# KiCad board solderCurved.kicad_pcb (continued)
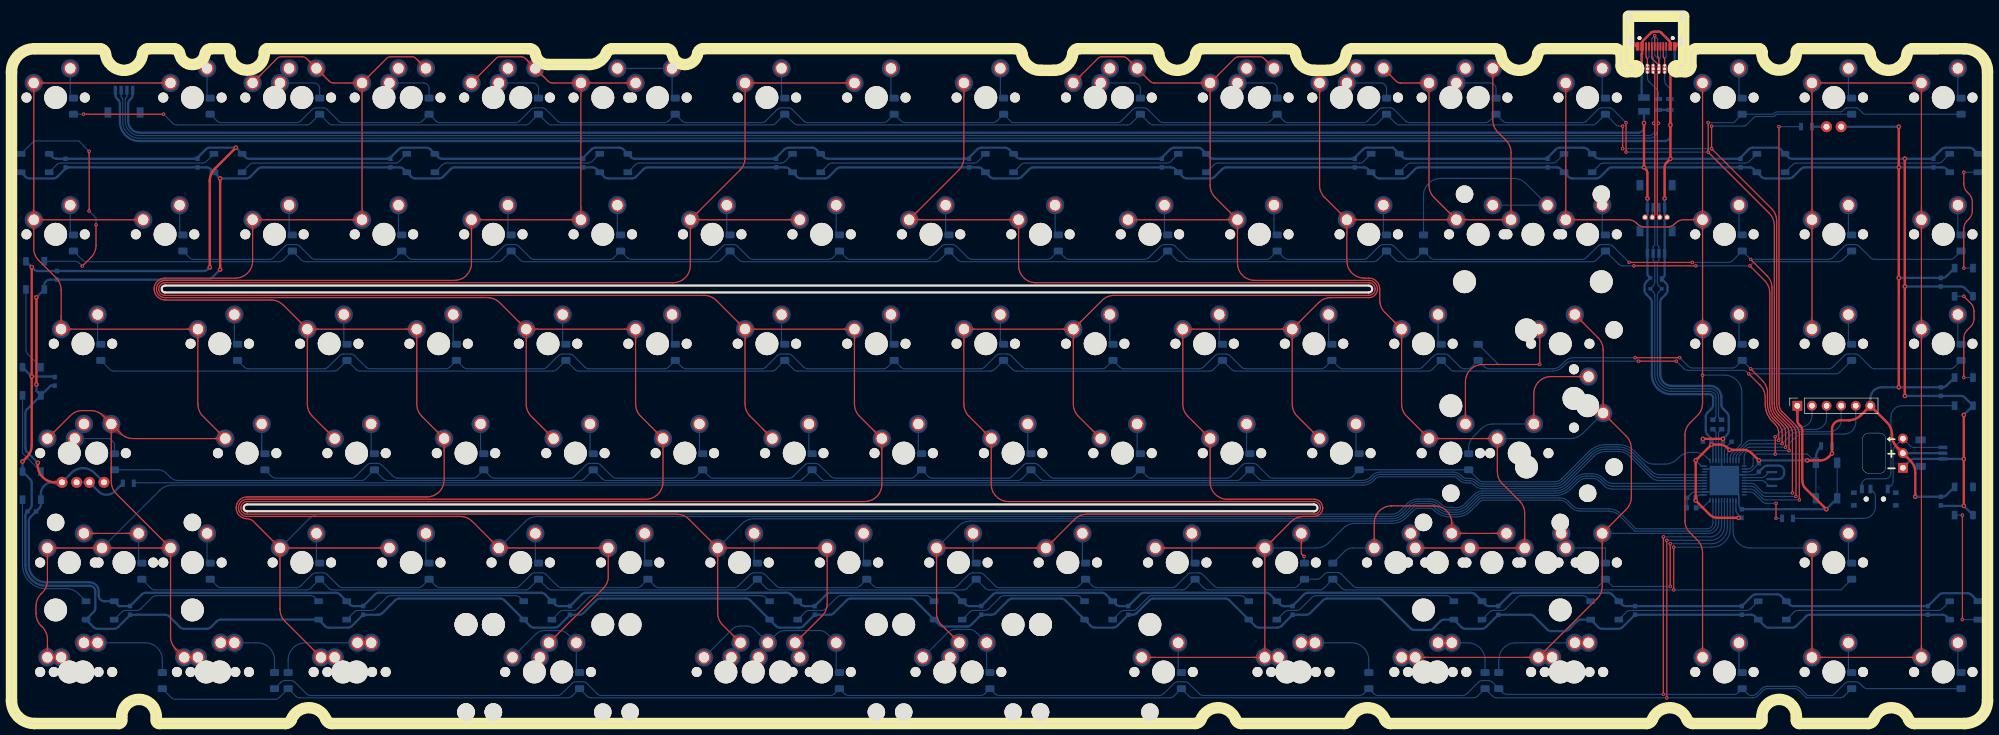
[diagram p0: board, top side]
## Copper pours and planes (outline as drawn; the poured copper is in the pictures) (continued)
Net-(D75-Pad2) on Bottom: 256.43,10.06 255.99,9.14 256.53,8.57 257.07,9.14 256.63,10.06
Net-(D76-Pad2) on Bottom: 277.03,87.86 277.03,87.97 277.03,88.06 277.04,88.15 277.06,88.23 277.07,88.31 277.09,88.38 277.11,88.45 277.13,88.51 277.16,88.57 277.19,88.63 277.22,88.68 277.25,88.73 277.29,88.78 277.32,88.83 277.7,89.26 277.75,89.31 277.79,89.37 277.84,89.44 277.88,89.5 277.92,89.57 277.97,89.65 278.01,89.73 276.93,90.85 275.85,89.73 275.89,89.65 275.93,89.57 275.97,89.5 276.02,89.44 276.06,89.37 276.11,89.31 276.15,89.26 276.53,88.83 276.56,88.78 276.6,88.73 276.63,88.68 276.66,88.63 276.69,88.57 276.72,88.51 276.74,88.45 276.76,88.38 276.78,88.31 276.8,88.23 276.81,88.15 276.82,88.06 276.82,87.97 276.83,87.86
Net-(D76-Pad2) on Bottom: 277.03,87.06 277.03,87.2 277.04,87.33 277.05,87.45 277.07,87.56 277.09,87.66 277.11,87.76 277.14,87.85 277.18,87.93 277.21,88.01 277.25,88.09 277.29,88.16 277.34,88.23 277.39,88.29 277.44,88.35 277.49,88.41 277.54,88.48 277.83,88.78 277.89,88.85 277.96,88.92 278.02,89 278.08,89.08 278.14,89.16 278.2,89.25 278.25,89.34 278.31,89.45 278.37,89.56 276.93,91.05 275.49,89.56 275.54,89.45 275.6,89.34 275.66,89.25 275.72,89.16 275.78,89.08 275.84,89 275.9,88.92 275.96,88.85 276.02,88.78 276.31,88.48 276.36,88.41 276.42,88.35 276.47,88.29 276.51,88.23 276.56,88.16 276.6,88.09 276.64,88.01 276.68,87.93 276.71,87.85 276.74,87.76 276.77,87.66 276.79,87.56 276.8,87.45 276.82,87.33 276.82,87.2 276.83,87.06
Net-(D77-Pad2) on Bottom: 268.97,13.95 269.11,13.95 269.24,13.94 269.36,13.93 269.47,13.91 269.57,13.89 269.67,13.87 269.76,13.84 269.84,13.81 269.92,13.77 270,13.73 270.07,13.69 270.14,13.64 270.2,13.59 270.26,13.54 270.32,13.49 270.38,13.44 270.69,13.15 270.76,13.09 270.83,13.03 270.91,12.97 270.99,12.91 271.07,12.85 271.16,12.79 271.25,12.73 271.36,12.67 271.47,12.61 272.96,14.05 271.47,15.49 271.36,15.44 271.25,15.38 271.16,15.32 271.07,15.26 270.99,15.2 270.91,15.14 270.83,15.08 270.76,15.02 270.69,14.96 270.38,14.67 270.32,14.62 270.26,14.57 270.2,14.52 270.14,14.47 270.07,14.42 270,14.38 269.92,14.34 269.84,14.3 269.76,14.27 269.67,14.24 269.57,14.22 269.47,14.19 269.36,14.18 269.24,14.16 269.11,14.16 268.97,14.15
Net-(D77-Pad2) on Bottom: 269.77,13.95 269.88,13.95 269.97,13.95 270.06,13.94 270.14,13.93 270.22,13.91 270.29,13.89 270.36,13.87 270.42,13.85 270.48,13.82 270.54,13.79 270.59,13.76 270.64,13.73 270.69,13.69 270.74,13.66 271.17,13.28 271.22,13.23 271.28,13.19 271.35,13.15 271.41,13.1 271.48,13.06 271.56,13.02 271.64,12.97 272.76,14.05 271.64,15.13 271.56,15.09 271.48,15.05 271.41,15.01 271.35,14.96 271.28,14.92 271.22,14.88 271.17,14.83 270.74,14.45 270.69,14.42 270.64,14.38 270.59,14.35 270.54,14.32 270.48,14.29 270.42,14.26 270.36,14.24 270.29,14.22 270.22,14.2 270.14,14.18 270.06,14.17 269.97,14.16 269.88,14.16 269.77,14.15
Net-(D77-Pad2) on Bottom: 258.81,10.06 258.37,9.14 258.91,8.57 259.45,9.14 259.01,10.06
Net-(D78-Pad2) on Bottom: 300.84,110.88 300.84,111.01 300.85,111.14 300.86,111.26 300.88,111.37 300.9,111.47 300.93,111.57 300.95,111.66 300.99,111.74 301.02,111.82 301.06,111.9 301.11,111.97 301.15,112.04 301.2,112.1 301.25,112.17 301.3,112.23 301.36,112.29 301.65,112.6 301.71,112.66 301.77,112.73 301.83,112.81 301.89,112.89 301.95,112.97 302.01,113.06 302.07,113.16 302.12,113.26 302.18,113.37 300.74,114.87 299.3,113.37 299.35,113.26 299.41,113.16 299.47,113.06 299.53,112.97 299.59,112.89 299.65,112.81 299.71,112.73 299.77,112.66 299.83,112.6 300.12,112.29 300.18,112.23 300.23,112.17 300.28,112.1 300.33,112.04 300.37,111.97 300.41,111.9 300.45,111.82 300.49,111.74 300.52,111.66 300.55,111.57 300.58,111.47 300.6,111.37 300.62,111.26 300.63,111.14 300.64,111.01 300.64,110.88
Net-(D78-Pad2) on Bottom: 300.84,111.68 300.84,111.78 300.85,111.87 300.86,111.96 300.87,112.05 300.88,112.12 300.9,112.19 300.92,112.26 300.95,112.33 300.97,112.39 301,112.44 301.03,112.5 301.07,112.55 301.1,112.6 301.14,112.64 301.52,113.07 301.56,113.13 301.6,113.19 301.65,113.25 301.69,113.31 301.74,113.39 301.78,113.46 301.82,113.54 300.74,114.67 299.66,113.54 299.7,113.46 299.74,113.39 299.79,113.31 299.83,113.25 299.87,113.19 299.92,113.13 299.96,113.07 300.34,112.64 300.38,112.6 300.41,112.55 300.44,112.5 300.48,112.44 300.5,112.39 300.53,112.33 300.56,112.26 300.58,112.19 300.59,112.12 300.61,112.05 300.62,111.96 300.63,111.87 300.64,111.78 300.64,111.68
Net-(D79-Pad2) on Bottom: 300.84,87.06 300.84,87.2 300.85,87.33 300.86,87.45 300.88,87.56 300.9,87.66 300.93,87.76 300.95,87.85 300.99,87.93 301.02,88.01 301.06,88.09 301.11,88.16 301.15,88.23 301.2,88.29 301.25,88.35 301.3,88.41 301.36,88.48 301.65,88.78 301.71,88.85 301.77,88.92 301.83,89 301.89,89.08 301.95,89.16 302.01,89.25 302.07,89.34 302.12,89.45 302.18,89.56 300.74,91.05 299.3,89.56 299.35,89.45 299.41,89.34 299.47,89.25 299.53,89.16 299.59,89.08 299.65,89 299.71,88.92 299.77,88.85 299.83,88.78 300.12,88.48 300.18,88.41 300.23,88.35 300.28,88.29 300.33,88.23 300.37,88.16 300.41,88.09 300.45,88.01 300.49,87.93 300.52,87.85 300.55,87.76 300.58,87.66 300.6,87.56 300.62,87.45 300.63,87.33 300.64,87.2 300.64,87.06
Net-(D79-Pad2) on Bottom: 300.84,87.86 300.84,87.97 300.85,88.06 300.86,88.15 300.87,88.23 300.88,88.31 300.9,88.38 300.92,88.45 300.95,88.51 300.97,88.57 301,88.63 301.03,88.68 301.07,88.73 301.1,88.78 301.14,88.83 301.52,89.26 301.56,89.31 301.6,89.37 301.65,89.44 301.69,89.5 301.74,89.57 301.78,89.65 301.82,89.73 300.74,90.85 299.66,89.73 299.7,89.65 299.74,89.57 299.79,89.5 299.83,89.44 299.87,89.37 299.92,89.31 299.96,89.26 300.34,88.83 300.38,88.78 300.41,88.73 300.44,88.68 300.48,88.63 300.5,88.57 300.53,88.51 300.56,88.45 300.58,88.38 300.59,88.31 300.61,88.23 300.62,88.15 300.63,88.06 300.64,87.97 300.64,87.86
Net-(D80-Pad2) on Bottom: 300.84,68.01 300.84,68.15 300.85,68.28 300.86,68.4 300.88,68.51 300.9,68.61 300.93,68.71 300.95,68.8 300.99,68.88 301.02,68.96 301.06,69.04 301.11,69.11 301.15,69.18 301.2,69.24 301.25,69.3 301.3,69.36 301.36,69.43 301.65,69.73 301.71,69.8 301.77,69.87 301.83,69.95 301.89,70.03 301.95,70.11 302.01,70.2 302.07,70.29 302.12,70.4 302.18,70.51 300.74,72 299.3,70.51 299.35,70.4 299.41,70.29 299.47,70.2 299.53,70.11 299.59,70.03 299.65,69.95 299.71,69.87 299.77,69.8 299.83,69.73 300.12,69.43 300.18,69.36 300.23,69.3 300.28,69.24 300.33,69.18 300.37,69.11 300.41,69.04 300.45,68.96 300.49,68.88 300.52,68.8 300.55,68.71 300.58,68.61 300.6,68.51 300.62,68.4 300.63,68.28 300.64,68.15 300.64,68.01
Net-(D80-Pad2) on Bottom: 300.84,68.81 300.84,68.92 300.85,69.01 300.86,69.1 300.87,69.18 300.88,69.26 300.9,69.33 300.92,69.4 300.95,69.46 300.97,69.52 301,69.58 301.03,69.63 301.07,69.68 301.1,69.73 301.14,69.78 301.52,70.21 301.56,70.26 301.6,70.32 301.65,70.39 301.69,70.45 301.74,70.52 301.78,70.6 301.82,70.68 300.74,71.8 299.66,70.68 299.7,70.6 299.74,70.52 299.79,70.45 299.83,70.39 299.87,70.32 299.92,70.26 299.96,70.21 300.34,69.78 300.38,69.73 300.41,69.68 300.44,69.63 300.48,69.58 300.5,69.52 300.53,69.46 300.56,69.4 300.58,69.33 300.59,69.26 300.61,69.18 300.62,69.1 300.63,69.01 300.64,68.92 300.64,68.81
Net-(D81-Pad2) on Bottom: 300.84,11.66 300.84,11.77 300.85,11.86 300.86,11.95 300.87,12.03 300.88,12.11 300.9,12.18 300.92,12.25 300.95,12.31 300.97,12.37 301,12.43 301.03,12.48 301.07,12.53 301.1,12.58 301.14,12.63 301.52,13.06 301.56,13.11 301.6,13.17 301.65,13.24 301.69,13.3 301.74,13.37 301.78,13.45 301.82,13.53 300.74,14.65 299.66,13.53 299.7,13.45 299.74,13.37 299.79,13.3 299.83,13.24 299.87,13.17 299.92,13.11 299.96,13.06 300.34,12.63 300.38,12.58 300.41,12.53 300.44,12.48 300.48,12.43 300.5,12.37 300.53,12.31 300.56,12.25 300.58,12.18 300.59,12.11 300.61,12.03 300.62,11.95 300.63,11.86 300.64,11.77 300.64,11.66
Net-(D81-Pad2) on Bottom: 300.84,10.86 300.84,11 300.85,11.13 300.86,11.25 300.88,11.36 300.9,11.46 300.93,11.56 300.95,11.65 300.99,11.73 301.02,11.81 301.06,11.89 301.11,11.96 301.15,12.03 301.2,12.09 301.25,12.15 301.3,12.21 301.36,12.28 301.65,12.58 301.71,12.65 301.77,12.72 301.83,12.8 301.89,12.88 301.95,12.96 302.01,13.05 302.07,13.14 302.12,13.25 302.18,13.36 300.74,14.85 299.3,13.36 299.35,13.25 299.41,13.14 299.47,13.05 299.53,12.96 299.59,12.88 299.65,12.8 299.71,12.72 299.77,12.65 299.83,12.58 300.12,12.28 300.18,12.21 300.23,12.15 300.28,12.09 300.33,12.03 300.37,11.96 300.41,11.89 300.45,11.81 300.49,11.73 300.52,11.65 300.55,11.56 300.58,11.46 300.6,11.36 300.62,11.25 300.63,11.13 300.64,11 300.64,10.86
Net-(D82-Pad2) on Bottom: 319.89,110.88 319.89,111.01 319.9,111.14 319.91,111.26 319.93,111.37 319.95,111.47 319.98,111.57 320,111.66 320.04,111.74 320.07,111.82 320.11,111.9 320.16,111.97 320.2,112.04 320.25,112.1 320.3,112.17 320.35,112.23 320.41,112.29 320.7,112.6 320.76,112.66 320.82,112.73 320.88,112.81 320.94,112.89 321,112.97 321.06,113.06 321.12,113.16 321.17,113.26 321.23,113.37 319.79,114.87 318.35,113.37 318.4,113.26 318.46,113.16 318.52,113.06 318.58,112.97 318.64,112.89 318.7,112.81 318.76,112.73 318.82,112.66 318.88,112.6 319.17,112.29 319.23,112.23 319.28,112.17 319.33,112.1 319.38,112.04 319.42,111.97 319.46,111.9 319.5,111.82 319.54,111.74 319.57,111.66 319.6,111.57 319.63,111.47 319.65,111.37 319.67,111.26 319.68,111.14 319.69,111.01 319.69,110.88
Net-(D82-Pad2) on Bottom: 319.89,111.68 319.89,111.78 319.9,111.87 319.91,111.96 319.92,112.05 319.93,112.12 319.95,112.19 319.97,112.26 320,112.33 320.02,112.39 320.05,112.44 320.08,112.5 320.12,112.55 320.15,112.6 320.19,112.64 320.57,113.07 320.61,113.13 320.65,113.19 320.7,113.25 320.74,113.31 320.79,113.39 320.83,113.46 320.87,113.54 319.79,114.67 318.71,113.54 318.75,113.46 318.79,113.39 318.84,113.31 318.88,113.25 318.92,113.19 318.97,113.13 319.01,113.07 319.39,112.64 319.43,112.6 319.46,112.55 319.49,112.5 319.53,112.44 319.55,112.39 319.58,112.33 319.61,112.26 319.63,112.19 319.64,112.12 319.66,112.05 319.67,111.96 319.68,111.87 319.69,111.78 319.69,111.68
Net-(D83-Pad2) on Bottom: 319.89,87.06 319.89,87.2 319.9,87.33 319.91,87.45 319.93,87.56 319.95,87.66 319.98,87.76 320,87.85 320.04,87.93 320.07,88.01 320.11,88.09 320.16,88.16 320.2,88.23 320.25,88.29 320.3,88.35 320.35,88.41 320.41,88.48 320.7,88.78 320.76,88.85 320.82,88.92 320.88,89 320.94,89.08 321,89.16 321.06,89.25 321.12,89.34 321.17,89.45 321.23,89.56 319.79,91.05 318.35,89.56 318.4,89.45 318.46,89.34 318.52,89.25 318.58,89.16 318.64,89.08 318.7,89 318.76,88.92 318.82,88.85 318.88,88.78 319.17,88.48 319.23,88.41 319.28,88.35 319.33,88.29 319.38,88.23 319.42,88.16 319.46,88.09 319.5,88.01 319.54,87.93 319.57,87.85 319.6,87.76 319.63,87.66 319.65,87.56 319.67,87.45 319.68,87.33 319.69,87.2 319.69,87.06
Net-(D83-Pad2) on Bottom: 319.89,87.86 319.89,87.97 319.9,88.06 319.91,88.15 319.92,88.23 319.93,88.31 319.95,88.38 319.97,88.45 320,88.51 320.02,88.57 320.05,88.63 320.08,88.68 320.12,88.73 320.15,88.78 320.19,88.83 320.57,89.26 320.61,89.31 320.65,89.37 320.7,89.44 320.74,89.5 320.79,89.57 320.83,89.65 320.87,89.73 319.79,90.85 318.71,89.73 318.75,89.65 318.79,89.57 318.84,89.5 318.88,89.44 318.92,89.37 318.97,89.31 319.01,89.26 319.39,88.83 319.43,88.78 319.46,88.73 319.49,88.68 319.53,88.63 319.55,88.57 319.58,88.51 319.61,88.45 319.63,88.38 319.64,88.31 319.66,88.23 319.67,88.15 319.68,88.06 319.69,87.97 319.69,87.86
Net-(D84-Pad2) on Bottom: 319.89,68.01 319.89,68.15 319.9,68.28 319.91,68.4 319.93,68.51 319.95,68.61 319.98,68.71 320,68.8 320.04,68.88 320.07,68.96 320.11,69.04 320.16,69.11 320.2,69.18 320.25,69.24 320.3,69.3 320.35,69.36 320.41,69.43 320.7,69.73 320.76,69.8 320.82,69.87 320.88,69.95 320.94,70.03 321,70.11 321.06,70.2 321.12,70.29 321.17,70.4 321.23,70.51 319.79,72 318.35,70.51 318.4,70.4 318.46,70.29 318.52,70.2 318.58,70.11 318.64,70.03 318.7,69.95 318.76,69.87 318.82,69.8 318.88,69.73 319.17,69.43 319.23,69.36 319.28,69.3 319.33,69.24 319.38,69.18 319.42,69.11 319.46,69.04 319.5,68.96 319.54,68.88 319.57,68.8 319.6,68.71 319.63,68.61 319.65,68.51 319.67,68.4 319.68,68.28 319.69,68.15 319.69,68.01
Net-(D84-Pad2) on Bottom: 319.89,68.81 319.89,68.92 319.9,69.01 319.91,69.1 319.92,69.18 319.93,69.26 319.95,69.33 319.97,69.4 320,69.46 320.02,69.52 320.05,69.58 320.08,69.63 320.12,69.68 320.15,69.73 320.19,69.78 320.57,70.21 320.61,70.26 320.65,70.32 320.7,70.39 320.74,70.45 320.79,70.52 320.83,70.6 320.87,70.68 319.79,71.8 318.71,70.68 318.75,70.6 318.79,70.52 318.84,70.45 318.88,70.39 318.92,70.32 318.97,70.26 319.01,70.21 319.39,69.78 319.43,69.73 319.46,69.68 319.49,69.63 319.53,69.58 319.55,69.52 319.58,69.46 319.61,69.4 319.63,69.33 319.64,69.26 319.66,69.18 319.67,69.1 319.68,69.01 319.69,68.92 319.69,68.81
Net-(D85-Pad2) on Bottom: 319.89,30.71 319.89,30.82 319.9,30.91 319.91,31 319.92,31.08 319.93,31.16 319.95,31.23 319.97,31.3 320,31.36 320.02,31.42 320.05,31.48 320.08,31.53 320.12,31.58 320.15,31.63 320.19,31.68 320.57,32.11 320.61,32.16 320.65,32.22 320.7,32.29 320.74,32.35 320.79,32.42 320.83,32.5 320.87,32.58 319.79,33.7 318.71,32.58 318.75,32.5 318.79,32.42 318.84,32.35 318.88,32.29 318.92,32.22 318.97,32.16 319.01,32.11 319.39,31.68 319.43,31.63 319.46,31.58 319.49,31.53 319.53,31.48 319.55,31.42 319.58,31.36 319.61,31.3 319.63,31.23 319.64,31.16 319.66,31.08 319.67,31 319.68,30.91 319.69,30.82 319.69,30.71
Net-(D85-Pad2) on Bottom: 319.89,29.91 319.89,30.05 319.9,30.18 319.91,30.3 319.93,30.41 319.95,30.51 319.98,30.61 320,30.7 320.04,30.78 320.07,30.86 320.11,30.94 320.16,31.01 320.2,31.08 320.25,31.14 320.3,31.2 320.35,31.26 320.41,31.33 320.7,31.63 320.76,31.7 320.82,31.77 320.88,31.85 320.94,31.93 321,32.01 321.06,32.1 321.12,32.19 321.17,32.3 321.23,32.41 319.79,33.9 318.35,32.41 318.4,32.3 318.46,32.19 318.52,32.1 318.58,32.01 318.64,31.93 318.7,31.85 318.76,31.77 318.82,31.7 318.88,31.63 319.17,31.33 319.23,31.26 319.28,31.2 319.33,31.14 319.38,31.08 319.42,31.01 319.46,30.94 319.5,30.86 319.54,30.78 319.57,30.7 319.6,30.61 319.63,30.51 319.65,30.41 319.67,30.3 319.68,30.18 319.69,30.05 319.69,29.91
Net-(D86-Pad2) on Bottom: 319.89,10.86 319.89,11 319.9,11.13 319.91,11.25 319.93,11.36 319.95,11.46 319.98,11.56 320,11.65 320.04,11.73 320.07,11.81 320.11,11.89 320.16,11.96 320.2,12.03 320.25,12.09 320.3,12.15 320.35,12.21 320.41,12.28 320.7,12.58 320.76,12.65 320.82,12.72 320.88,12.8 320.94,12.88 321,12.96 321.06,13.05 321.12,13.14 321.17,13.25 321.23,13.36 319.79,14.85 318.35,13.36 318.4,13.25 318.46,13.14 318.52,13.05 318.58,12.96 318.64,12.88 318.7,12.8 318.76,12.72 318.82,12.65 318.88,12.58 319.17,12.28 319.23,12.21 319.28,12.15 319.33,12.09 319.38,12.03 319.42,11.96 319.46,11.89 319.5,11.81 319.54,11.73 319.57,11.65 319.6,11.56 319.63,11.46 319.65,11.36 319.67,11.25 319.68,11.13 319.69,11 319.69,10.86
Net-(D86-Pad2) on Bottom: 319.89,11.66 319.89,11.77 319.9,11.86 319.91,11.95 319.92,12.03 319.93,12.11 319.95,12.18 319.97,12.25 320,12.31 320.02,12.37 320.05,12.43 320.08,12.48 320.12,12.53 320.15,12.58 320.19,12.63 320.57,13.06 320.61,13.11 320.65,13.17 320.7,13.24 320.74,13.3 320.79,13.37 320.83,13.45 320.87,13.53 319.79,14.65 318.71,13.53 318.75,13.45 318.79,13.37 318.84,13.3 318.88,13.24 318.92,13.17 318.97,13.11 319.01,13.06 319.39,12.63 319.43,12.58 319.46,12.53 319.49,12.48 319.53,12.43 319.55,12.37 319.58,12.31 319.61,12.25 319.63,12.18 319.64,12.11 319.66,12.03 319.67,11.95 319.68,11.86 319.69,11.77 319.69,11.66
Net-(D87-Pad2) on Bottom: 338.94,111.68 338.94,111.78 338.95,111.87 338.96,111.96 338.97,112.05 338.98,112.12 339,112.19 339.02,112.26 339.05,112.33 339.07,112.39 339.1,112.44 339.13,112.5 339.17,112.55 339.2,112.6 339.24,112.64 339.62,113.07 339.66,113.13 339.7,113.19 339.75,113.25 339.79,113.31 339.84,113.39 339.88,113.46 339.92,113.54 338.84,114.67 337.76,113.54 337.8,113.46 337.84,113.39 337.89,113.31 337.93,113.25 337.97,113.19 338.02,113.13 338.06,113.07 338.44,112.64 338.48,112.6 338.51,112.55 338.54,112.5 338.58,112.44 338.6,112.39 338.63,112.33 338.66,112.26 338.68,112.19 338.69,112.12 338.71,112.05 338.72,111.96 338.73,111.87 338.74,111.78 338.74,111.68
Net-(D87-Pad2) on Bottom: 338.94,110.88 338.94,111.01 338.95,111.14 338.96,111.26 338.98,111.37 339,111.47 339.03,111.57 339.05,111.66 339.09,111.74 339.12,111.82 339.16,111.9 339.21,111.97 339.25,112.04 339.3,112.1 339.35,112.17 339.4,112.23 339.46,112.29 339.75,112.6 339.81,112.66 339.87,112.73 339.93,112.81 339.99,112.89 340.05,112.97 340.11,113.06 340.17,113.16 340.22,113.26 340.28,113.37 338.84,114.87 337.4,113.37 337.45,113.26 337.51,113.16 337.57,113.06 337.63,112.97 337.69,112.89 337.75,112.81 337.81,112.73 337.87,112.66 337.93,112.6 338.22,112.29 338.28,112.23 338.33,112.17 338.38,112.1 338.43,112.04 338.47,111.97 338.51,111.9 338.55,111.82 338.59,111.74 338.62,111.66 338.65,111.57 338.68,111.47 338.7,111.37 338.72,111.26 338.73,111.14 338.74,111.01 338.74,110.88
Net-(D88-Pad2) on Bottom: 338.94,87.06 338.94,87.2 338.95,87.33 338.96,87.45 338.98,87.56 339,87.66 339.03,87.76 339.05,87.85 339.09,87.93 339.12,88.01 339.16,88.09 339.21,88.16 339.25,88.23 339.3,88.29 339.35,88.35 339.4,88.41 339.46,88.48 339.75,88.78 339.81,88.85 339.87,88.92 339.93,89 339.99,89.08 340.05,89.16 340.11,89.25 340.17,89.34 340.22,89.45 340.28,89.56 338.84,91.05 337.4,89.56 337.45,89.45 337.51,89.34 337.57,89.25 337.63,89.16 337.69,89.08 337.75,89 337.81,88.92 337.87,88.85 337.93,88.78 338.22,88.48 338.28,88.41 338.33,88.35 338.38,88.29 338.43,88.23 338.47,88.16 338.51,88.09 338.55,88.01 338.59,87.93 338.62,87.85 338.65,87.76 338.68,87.66 338.7,87.56 338.72,87.45 338.73,87.33 338.74,87.2 338.74,87.06
Net-(D88-Pad2) on Bottom: 338.94,87.86 338.94,87.97 338.95,88.06 338.96,88.15 338.97,88.23 338.98,88.31 339,88.38 339.02,88.45 339.05,88.51 339.07,88.57 339.1,88.63 339.13,88.68 339.17,88.73 339.2,88.78 339.24,88.83 339.62,89.26 339.66,89.31 339.7,89.37 339.75,89.44 339.79,89.5 339.84,89.57 339.88,89.65 339.92,89.73 338.84,90.85 337.76,89.73 337.8,89.65 337.84,89.57 337.89,89.5 337.93,89.44 337.97,89.37 338.02,89.31 338.06,89.26 338.44,88.83 338.48,88.78 338.51,88.73 338.54,88.68 338.58,88.63 338.6,88.57 338.63,88.51 338.66,88.45 338.68,88.38 338.69,88.31 338.71,88.23 338.72,88.15 338.73,88.06 338.74,87.97 338.74,87.86
Net-(D89-Pad2) on Bottom: 338.94,68.01 338.94,68.15 338.95,68.28 338.96,68.4 338.98,68.51 339,68.61 339.03,68.71 339.05,68.8 339.09,68.88 339.12,68.96 339.16,69.04 339.21,69.11 339.25,69.18 339.3,69.24 339.35,69.3 339.4,69.36 339.46,69.43 339.75,69.73 339.81,69.8 339.87,69.87 339.93,69.95 339.99,70.03 340.05,70.11 340.11,70.2 340.17,70.29 340.22,70.4 340.28,70.51 338.84,72 337.4,70.51 337.45,70.4 337.51,70.29 337.57,70.2 337.63,70.11 337.69,70.03 337.75,69.95 337.81,69.87 337.87,69.8 337.93,69.73 338.22,69.43 338.28,69.36 338.33,69.3 338.38,69.24 338.43,69.18 338.47,69.11 338.51,69.04 338.55,68.96 338.59,68.88 338.62,68.8 338.65,68.71 338.68,68.61 338.7,68.51 338.72,68.4 338.73,68.28 338.74,68.15 338.74,68.01
Net-(D89-Pad2) on Bottom: 338.94,68.81 338.94,68.92 338.95,69.01 338.96,69.1 338.97,69.18 338.98,69.26 339,69.33 339.02,69.4 339.05,69.46 339.07,69.52 339.1,69.58 339.13,69.63 339.17,69.68 339.2,69.73 339.24,69.78 339.62,70.21 339.66,70.26 339.7,70.32 339.75,70.39 339.79,70.45 339.84,70.52 339.88,70.6 339.92,70.68 338.84,71.8 337.76,70.68 337.8,70.6 337.84,70.52 337.89,70.45 337.93,70.39 337.97,70.32 338.02,70.26 338.06,70.21 338.44,69.78 338.48,69.73 338.51,69.68 338.54,69.63 338.58,69.58 338.6,69.52 338.63,69.46 338.66,69.4 338.68,69.33 338.69,69.26 338.71,69.18 338.72,69.1 338.73,69.01 338.74,68.92 338.74,68.81
Net-(D90-Pad2) on Bottom: 338.94,10.86 338.94,11 338.95,11.13 338.96,11.25 338.98,11.36 339,11.46 339.03,11.56 339.05,11.65 339.09,11.73 339.12,11.81 339.16,11.89 339.21,11.96 339.25,12.03 339.3,12.09 339.35,12.15 339.4,12.21 339.46,12.28 339.75,12.58 339.81,12.65 339.87,12.72 339.93,12.8 339.99,12.88 340.05,12.96 340.11,13.05 340.17,13.14 340.22,13.25 340.28,13.36 338.84,14.85 337.4,13.36 337.45,13.25 337.51,13.14 337.57,13.05 337.63,12.96 337.69,12.88 337.75,12.8 337.81,12.72 337.87,12.65 337.93,12.58 338.22,12.28 338.28,12.21 338.33,12.15 338.38,12.09 338.43,12.03 338.47,11.96 338.51,11.89 338.55,11.81 338.59,11.73 338.62,11.65 338.65,11.56 338.68,11.46 338.7,11.36 338.72,11.25 338.73,11.13 338.74,11 338.74,10.86
Net-(D90-Pad2) on Bottom: 338.94,11.66 338.94,11.77 338.95,11.86 338.96,11.95 338.97,12.03 338.98,12.11 339,12.18 339.02,12.25 339.05,12.31 339.07,12.37 339.1,12.43 339.13,12.48 339.17,12.53 339.2,12.58 339.24,12.63 339.62,13.06 339.66,13.11 339.7,13.17 339.75,13.24 339.79,13.3 339.84,13.37 339.88,13.45 339.92,13.53 338.84,14.65 337.76,13.53 337.8,13.45 337.84,13.37 337.89,13.3 337.93,13.24 337.97,13.17 338.02,13.11 338.06,13.06 338.44,12.63 338.48,12.58 338.51,12.53 338.54,12.48 338.58,12.43 338.6,12.37 338.63,12.31 338.66,12.25 338.68,12.18 338.69,12.11 338.71,12.03 338.72,11.95 338.73,11.86 338.74,11.77 338.74,11.66
Net-(D91-Pad2) on Bottom: 203.21,10.86 203.21,11 203.22,11.13 203.23,11.25 203.25,11.36 203.27,11.46 203.29,11.56 203.32,11.65 203.36,11.73 203.39,11.81 203.43,11.89 203.48,11.96 203.52,12.03 203.57,12.09 203.62,12.15 203.67,12.21 203.73,12.28 204.02,12.58 204.08,12.65 204.14,12.72 204.2,12.8 204.26,12.88 204.32,12.96 204.38,13.05 204.43,13.14 204.49,13.25 204.55,13.36 203.11,14.85 201.67,13.36 201.72,13.25 201.78,13.14 201.84,13.05 201.9,12.96 201.96,12.88 202.02,12.8 202.08,12.72 202.14,12.65 202.2,12.58 202.49,12.28 202.54,12.21 202.6,12.15 202.65,12.09 202.69,12.03 202.74,11.96 202.78,11.89 202.82,11.81 202.86,11.73 202.89,11.65 202.92,11.56 202.95,11.46 202.97,11.36 202.99,11.25 203,11.13 203.01,11 203.01,10.86
Net-(D91-Pad2) on Bottom: 203.21,11.66 203.21,11.77 203.22,11.86 203.22,11.95 203.24,12.03 203.25,12.11 203.27,12.18 203.29,12.25 203.32,12.31 203.34,12.37 203.37,12.43 203.4,12.48 203.43,12.53 203.47,12.58 203.51,12.63 203.88,13.06 203.93,13.11 203.97,13.17 204.02,13.24 204.06,13.3 204.1,13.37 204.15,13.45 204.19,13.53 203.11,14.65 202.03,13.53 202.07,13.45 202.11,13.37 202.15,13.3 202.2,13.24 202.24,13.17 202.29,13.11 202.33,13.06 202.71,12.63 202.75,12.58 202.78,12.53 202.81,12.48 202.84,12.43 202.87,12.37 202.9,12.31 202.92,12.25 202.95,12.18 202.96,12.11 202.98,12.03 202.99,11.95 203,11.86 203.01,11.77 203.01,11.66
Net-(D92-Pad2) on Bottom: 98.43,10.86 98.44,11 98.44,11.13 98.46,11.25 98.47,11.36 98.49,11.46 98.52,11.56 98.55,11.65 98.58,11.73 98.62,11.81 98.66,11.89 98.7,11.96 98.75,12.03 98.79,12.09 98.84,12.15 98.9,12.21 98.95,12.28 99.24,12.58 99.3,12.65 99.36,12.72 99.42,12.8 99.48,12.88 99.54,12.96 99.6,13.05 99.66,13.14 99.72,13.25 99.77,13.36 98.33,14.85 96.89,13.36 96.95,13.25 97.01,13.14 97.06,13.05 97.12,12.96 97.18,12.88 97.24,12.8 97.3,12.72 97.36,12.65 97.43,12.58 97.72,12.28 97.77,12.21 97.82,12.15 97.87,12.09 97.92,12.03 97.97,11.96 98.01,11.89 98.05,11.81 98.08,11.73 98.12,11.65 98.15,11.56 98.17,11.46 98.19,11.36 98.21,11.25 98.22,11.13 98.23,11 98.23,10.86
Net-(D92-Pad2) on Bottom: 95.34,16.09 95.48,16.09 95.61,16.08 95.73,16.06 95.84,16.03 95.93,15.99 96.02,15.95 96.1,15.9 96.17,15.85 96.23,15.78 96.29,15.71 96.33,15.64 96.38,15.56 96.41,15.47 96.45,15.38 96.47,15.29 96.5,15.19 96.52,15.08 96.54,14.98 96.56,14.87 96.62,14.4 96.64,14.28 96.66,14.15 96.69,14.03 96.71,13.9 96.75,13.78 96.78,13.65 96.82,13.53 98.9,13.49 98.31,15.65 98.18,15.65 98.05,15.66 97.94,15.67 97.83,15.68 97.72,15.7 97.63,15.71 97.53,15.74 97.44,15.76 97.36,15.79 97.27,15.82 97.19,15.84 97.11,15.88 96.73,16.04 96.65,16.07 96.57,16.1 96.48,16.13 96.39,16.16 96.3,16.18 96.2,16.21 96.1,16.23 95.99,16.25 95.88,16.26 95.75,16.28 95.62,16.29 95.49,16.29 95.34,16.29
Net-(D92-Pad2) on Bottom: 98.43,11.66 98.43,11.77 98.44,11.86 98.45,11.95 98.46,12.03 98.48,12.11 98.5,12.18 98.52,12.25 98.54,12.31 98.57,12.37 98.6,12.43 98.63,12.48 98.66,12.53 98.69,12.58 98.73,12.63 99.11,13.06 99.15,13.11 99.2,13.17 99.24,13.24 99.29,13.3 99.33,13.37 99.37,13.45 99.41,13.53 98.33,14.65 97.25,13.53 97.29,13.45 97.34,13.37 97.38,13.3 97.42,13.24 97.47,13.17 97.51,13.11 97.56,13.06 97.93,12.63 97.97,12.58 98.01,12.53 98.04,12.48 98.07,12.43 98.1,12.37 98.12,12.31 98.15,12.25 98.17,12.18 98.19,12.11 98.2,12.03 98.22,11.95 98.23,11.86 98.23,11.77 98.23,11.66
